# Allegro board FPGA-FINAL.brd (continued)
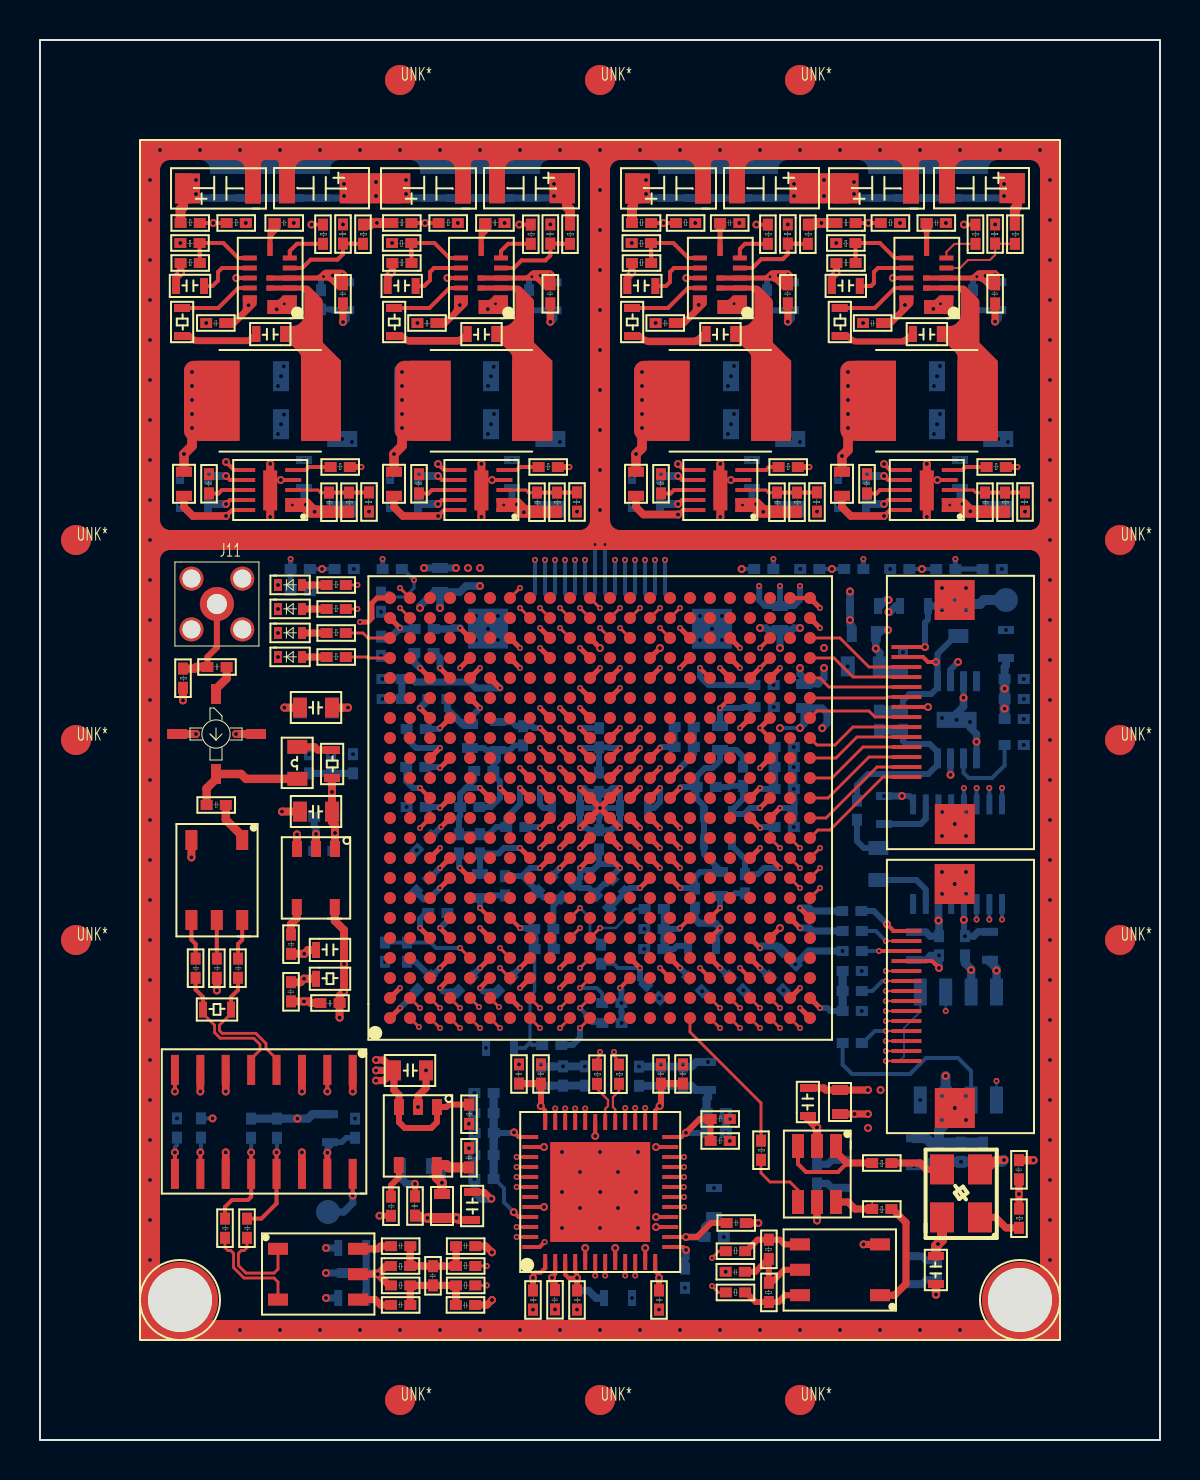
[diagram p0: board, top side]
## Footprints (pads in the part's own frame, mm; a bottom-side part is the same pattern mirrored in y, then rotated) (continued)
FPC-14P-0D5
  rect 0.2x1.5 smd: 1(-3.251,3.479) 2(-2.751,3.479) 3(-2.251,3.479) 4(-1.751,3.479) 5(-1.251,3.479) 6(-0.751,3.479) 7(-0.251,3.479) 8(0.249,3.479) 9(0.749,3.479) 10(1.249,3.479) 11(1.749,3.479) 12(2.249,3.479) 13(2.749,3.479) 14(3.249,3.479)
  rect 2x2 smd: M1(-5.6,1.06) M2(5.6,1.066)
L0805
  rect 0.7x1 smd: 1(0.2,0.62) 2(1.8,0.62)
LED0402
  rect 0.4x0.6 smd: 1(-0.1,0.25) 2(1.1,0.25)
MSOP-8-PAD
  rect 0.35x1 smd: 1(-0.001,-3.615) 2(0.649,-3.615) 3(1.299,-3.615) 4(1.949,-3.615) 5(1.949,0.241) 6(1.299,0.241) 7(0.649,0.241) 8(-0.001,0.241)
  rect 2x0.8 smd: 9(0.995,-1.694)
QFN-14
  rect 0.7x0.25 smd: 1(-0.99,1) 2(-0.99,0.5) 3(-0.99,0) 4(-0.99,-0.5) 5(-0.99,-1) 7(1.01,-1) 8(1.01,-0.5) 9(1.01,0) 10(1.01,0.5) 11(1.01,1)
  rect 0.25x0.7 smd: 6(0,-1.45) 12(0,1.45)
  rect 0.35x0.25 smd: 13(0,0.5) 14(0,0)
QFN-48
  rect 0.8x0.2 smd: 1(-3.5,2.75) 2(-3.5,2.25) 3(-3.5,1.75) 4(-3.5,1.25) 5(-3.5,0.75) 6(-3.5,0.25) 7(-3.5,-0.25) 8(-3.5,-0.75) 9(-3.5,-1.25) 10(-3.5,-1.75) 11(-3.5,-2.25) 12(-3.5,-2.75) 25(3.5,-2.75) 26(3.5,-2.25) 27(3.5,-1.75) 28(3.5,-1.25) 29(3.5,-0.75) 30(3.5,-0.25) 31(3.5,0.25) 32(3.5,0.75) 33(3.5,1.25) 34(3.5,1.75) 35(3.5,2.25) 36(3.5,2.75)
  rect 0.2x0.8 smd: 13(-2.75,-3.5) 14(-2.25,-3.5) 15(-1.75,-3.5) 16(-1.25,-3.5) 17(-0.75,-3.5) 18(-0.25,-3.5) 19(0.25,-3.5) 20(0.75,-3.5) 21(1.25,-3.5) 22(1.75,-3.5) 23(2.25,-3.5) 24(2.75,-3.5) 37(2.75,3.5) 38(2.25,3.5) 39(1.75,3.5) 40(1.25,3.5) 41(0.75,3.5) 42(0.25,3.5) 43(-0.25,3.5) 44(-0.75,3.5) 45(-1.25,3.5) 46(-1.75,3.5) 47(-2.25,3.5) 48(-2.75,3.5)
  rect 5x5 smd: 49(0,0)
R0402
  rect 0.6x0.5 smd: 1(0.01,0.25) 2(0.97,0.25)
R0603
  rect 0.4x0.8 smd: 1(0.1,0.4) 2(1.5,0.4)
SCREW-M3
  round 3.8 hole 3.2 unplated: (0,0)
SM-22
  rect 0.6x1 smd: 1(0.64,-0.1) 2(3.18,-0.1) 3(3.18,3.9) 4(1.91,3.9) 5(0.64,3.9)
SMA
  round 1.2 hole 0.9: 1(-1.27,-1.27) 2(1.27,-1.27) 3(1.27,1.27) 4(-1.27,1.27)
  round 1.7 hole 1: 5(0,0)
SO-8
  rect 0.65x1.35 smd: 1(0,-5.4) 2(1.27,-5.4) 3(2.54,-5.4) 4(3.81,-5.4) 5(3.81,0) 6(2.54,0) 7(1.27,0) 8(0,0)
SO-16
  rect 0.4x1.5 smd: 1(-4.437,-2.605) 2(-3.167,-2.605) 3(-1.897,-2.605) 4(-0.627,-2.605) 5(0.643,-2.605) 6(1.913,-2.605) 7(3.183,-2.605) 8(4.453,-2.605) 9(4.453,2.595) 10(3.183,2.595) 11(1.913,2.595) 12(0.643,2.595) 13(-0.627,2.595) 14(-1.897,2.595) 15(-3.167,2.595) 16(-4.437,2.595)
SOT-23-5
  rect 0.5x0.8 smd: 1(-0.95,-1.45) 2(0,-1.45) 3(0.95,-1.45) 4(0.96,1.45) 5(-0.94,1.45)
SOT-23-6
  rect 1.2x0.6 smd: 1(0,0) 2(0,-0.95) 3(0,-1.9) 4(2.8,-1.9) 5(2.8,-0.95) 6(2.8,0)
SSOP-16
  rect 1x0.3 smd: 1(0.6,4.7) 2(0.6,4.065) 3(0.6,3.43) 4(0.6,2.795) 5(0.6,2.16) 6(0.6,1.525) 7(0.6,0.89) 8(0.6,0.255) 9(5.58,0.255) 10(5.58,0.89) 11(5.58,1.525) 12(5.58,2.16) 13(5.58,2.795) 14(5.58,3.43) 15(5.58,4.065) 16(5.58,4.7)
TP_SMD_CIR_1D2
  round 1.2 smd: 1(0,0)
TSX-3225-4P
  rect 1.5x1.2 smd: 1(0.43,0.3) 2(2.83,0.3) 3(2.83,2.2) 4(0.43,2.2)
unnamed#2
  round 1.5 smd: (0,0)
WSON-10
  rect 0.8x0.2 smd: 1(0,0) 2(0,-0.5) 3(0,-1) 4(0,-1.5) 5(0,-2) 6(2.3,-2) 7(2.3,-1.5) 8(2.3,-1) 9(2.3,-0.5) 10(2.3,0)
  rect 0.7x2 smd: 11(1.15,-0.98)

## Nets
1V2_FPGA: C644.1 C645.2 C646.2 L35.2 R379.1 R380.1 U50.1 U50.2
2V0_FPGA: C129.2 C135.2 L16.2 U50.6(\SS_CTRL\) U50.7 U50.9 U50.10
2V0_FPGA_PWR: C78.1 C106.2 C120.2 L10.2 L16.1 R78.2
2V5_FPGA: C647.2 C648.2 C649.1 L37.1 R381.1 R383.1 U51.1 U51.2
3V3_BUCK_2V5: C77.1 C105.2 C125.2 L9.2 L15.1 R77.2
3V3_BUCK_2V5_IN: C128.2 C133.2 L15.2 U51.6(\SS_CTRL\) U51.7 U51.9 U51.10
3V3_FPGA: C651.2 C652.2 C653.1 L36.1 R384.1 R386.1 U52.1 U52.2
3V3_IF: C165.2 C184.2 R161.2 R364.2 R365.2 R366.2 U23.5(\OUT\)
4V0_BUCK_3V3: C127.2 C131.2 L14.2 U52.6(\SS_CTRL\) U52.7 U52.9 U52.10
4V0_BUCK_3V3_PWR: C76.1 C104.2 C124.2 L8.2 L14.1 R76.2
5V5_BUCK_5V_IN: C126.2 C659.2 L13.2 U53.6(\SS_CTRL\) U53.7 U53.9 U53.10
5V5_BUCK_5V_PWR: C75.1 C103.2 C115.2 L7.2 L13.1 R75.2
5V_FPGA: C145.2 C146.2 C147.2 C148.2 C150.2 C200.2 C201.2 C468.2 C480.2 C655.2 C656.2 C657.1 C664.2 C665.2 L18.1 R148.2 R387.1 R389.1 U23.1 U23.3 U29.1 U29.3 U53.1 U53.2
GND: A1.2 A1.4 C61.1 C62.1 C63.1 C64.1 C65.1 C66.1 C67.1 C68.1 C69.1 C70.1 C71.1 C72.1 C79.2 C80.2 C81.2 C82.2 C84.1 C85.1 C86.1 C87.1 C103.1 C104.1 C105.1 C106.1 C115.1 C120.1 C124.1 C125.1 C126.1 C127.1 C128.1 C129.1 C131.1 C133.1 C135.1 C145.1 C146.1 C147.1 C148.1 C150.1 C151.1 C164.1 C165.1 C172.1 C175.2 C184.1 C186.1 C191.1 C192.1 C193.1 C198.1 C199.1 C200.1 C201.1 C202.1 C204.1 C205.1 C206.1 C207.1 C208.1 C209.1 C210.1 C211.1 C212.1 C213.1 C214.1 C217.1 C218.1 C220.1 C221.1 C242.2 C244.2 C364.1 C365.1 C366.1 C367.1 C368.1 C369.1 C370.1 C371.1 C372.1 C373.1 C374.1 C375.1 C376.1 C377.1 C378.1 C379.1 C380.1 C381.1 C382.1 C383.1 C384.1 C385.1 C386.1 C387.1 C463.1 C464.1 C465.1 C468.1 C469.1 C470.1 C471.2 C473.1 C474.1 C478.1 C480.1 C481.1 C482.2 C483.2 C484.2 C485.1 C486.1 C490.1 C491.1 C498.2 C499.1 C500.1 C501.1 C502.1 C505.1 C506.1 C507.1 C508.1 C510.1 C511.1 C512.1 C514.1 C516.1 C517.1 C519.1 C520.1 C521.1 C523.1 C524.1 C526.1 C530.1 C533.1 C534.1 C540.2 C541.1 C544.1 C545.1 C548.1 C549.1 C550.1 C551.1 C552.2 C554.1 C555.1 C556.1 C557.1 C558.1 C559.1 C561.1 C562.1 C563.1 C564.2 C565.2 C575.1 C577.1 C578.1 C579.1 C580.1 C581.1 C582.2 C583.2 C584.2 C585.2 C586.2 C587.2 C588.2 C589.1 C593.2 C597.1 C598.1 C599.1 C602.1 C604.2 C608.1 C612.1 C613.1 C614.1 C615.2 C616.1 C617.2 C637.1 C638.1 C639.1 C640.1 C641.2 C642.1 C643.1 C645.1 C646.1 C647.1 C648.1 C650.1 C651.1 C652.1 C654.1 C655.1 C656.1 C658.1 C659.1 C660.1 C661.1 C662.1 C663.1 C664.1 C665.1 C666.1 C667.1 C668.1 C669.1 C670.1 C671.1 C672.1 C673.1 C674.2 C675.2 C676.2 C677.2 D11.1(\CATHODE\) D12.1(\CATHODE\) D13.1(\CATHODE\) D14.1(\CATHODE\) J9.11 J9.M1 J9.M2(\M2\) J10.8 J10.13 J10.M1 J10.M2(\M2\) J11.1 J11.2 J11.3 J11.4 J12.7 J12.8 J12.M1 J12.M2(\M2\) R50.1 R52.1 R54.1 R56.1 R58.1 R61.1 R64.1 R67.1 R69.1 R70.1 R71.1 R72.1 R139.1 R142.1 R294.1 R307.1 R313.1 R319.1 R353.1 R357.2 R367.1 R378.2 R382.2 R385.2 R388.2 T2.2 T3.2 U11.1 U11.12 U12.1 U12.12 U13.1 U13.12 U14.1 U14.12 U18.1 U18.7 U18.9 U20.A1 U20.A22 U20.AA2 U20.AA22 U20.AB1 U20.AB6 U20.AB22 U20.C5 U20.C9 U20.C11 U20.C12 U20.C14 U20.C16 U20.C18 U20.D3 U20.D8 U20.E18 U20.E20 U20.F3 U20.F5 U20.F12 U20.G2 U20.G20 U20.H3 U20.H12 U20.H13 U20.J9 U20.J15 U20.J19 U20.K3 U20.K10 U20.K11 U20.K12 U20.K13 U20.K16 U20.L10 U20.L11 U20.L12 U20.L13 U20.L15 U20.L20 U20.M10 U20.M11 U20.M12 U20.M13 U20.N3 U20.N10 U20.N11 U20.N12 U20.N13 U20.N15 U20.P8 U20.P19 U20.R3 U20.R9 U20.R11 U20.R13 U20.T20 U20.U3 U20.U5 U20.V18 U20.V20 U20.W3 U20.Y5 U20.Y9 U20.Y11 U20.Y12 U20.Y15 U20.Y16 U20.Y18 U20.Y20 U23.2 U24.4 U24.9 U29.2 U30.1 U30.3 U30.6 U30.7 U30.11 U30.14 U32.2 U33.5 U33.8 U33.11 U33.15 U33.16 U33.23 U33.31 U33.38 U33.44 U33.48 U33.49 U49.4 U50.4 U50.11 U51.4 U51.11 U52.4 U52.11 U53.4 U53.11 Y4.2
VBAT_IN: C61.2 C62.2 C63.2 C64.2 C65.2 C66.2 C67.2 C68.2 C79.1 C80.1 C81.1 C82.1 C364.2 C365.2 C366.2 C367.2 C368.2 C369.2 C370.2 C371.2 C372.2 C373.2 C374.2 C375.2 C376.2 C377.2 C378.2 C379.2 C380.2 C381.2 C382.2 C383.2 C384.2 C385.2 C386.2 C387.2 C674.1 C675.1 C676.1 C677.1 R49.2 R51.2 R53.2 R55.2 R59.2 R62.2 R65.2 R68.2 U11.3(\VIN#3\) U11.14 U12.3(\VIN#3\) U12.14 U13.3(\VIN#3\) U13.14 U14.3(\VIN#3\) U14.14
VCCA_2V5: C473.2 C474.2 C482.1 C483.1 C484.1 C564.1 C565.1 C575.2 C578.2 C579.2 J9.12 L37.2 R352.1 R356.1 U20.F18 U20.G6 U20.T6 U20.U18
VCCINT_1V2: C463.2 C469.2 C486.2 C499.2 C501.2 C502.2 C506.2 C511.2 C514.2 C516.2 C517.2 C520.2 C526.2 C530.2 C534.2 C548.2 C550.2 C554.2 C555.2 C556.2 C557.2 C558.2 L35.1 L38.2 L39.2 L40.2 L41.2 U20.G12 U20.H9 U20.J10 U20.J11 U20.J12 U20.J13 U20.J14 U20.J16 U20.K9 U20.K14 U20.K15 U20.L9 U20.L14 U20.L16 U20.M9 U20.M14 U20.M15 U20.N9 U20.N14 U20.P9 U20.P10 U20.P11 U20.P12 U20.P13 U20.P14 U20.R8 U20.R10 U20.R12
VCCIO_3V3: C191.2 C192.2 C198.2 C199.2 C202.2 C205.2 C208.2 C209.2 C217.2 C464.2 C465.2 C470.2 C471.1 C478.2 C481.2 C498.1 C500.2 C505.2 C510.2 C512.2 C519.2 C521.2 C523.2 C524.2 C533.2 C544.2 C545.2 C549.2 C559.2 C561.2 C562.2 C580.2 C581.2 C582.1 C583.1 C584.1 C585.1 C586.1 C587.1 C588.1 C593.1 C597.2 C598.2 C599.2 C602.2 C608.2 C612.2 C614.2 C666.2 C667.2 C668.2 C669.2 C670.2 C671.2 J9.14 L21.1 L36.2 R293.2 R295.2 R310.2 R311.2 R314.2 R351.1 R355.1 R362.2 R375.2 U20.A2 U20.A21 U20.AA6 U20.AB2 U20.AB21 U20.D4 U20.D5 U20.D9 U20.D11 U20.D12 U20.D14 U20.D16 U20.D18 U20.E8(\VCCIO8#E8\) U20.E19 U20.F4 U20.G19 U20.H4 U20.J20 U20.K4 U20.L19 U20.N4 U20.P18 U20.R4 U20.T19 U20.U4 U20.V19 U20.W4 U20.W5 U20.W9 U20.W11 U20.W12 U20.W16 U20.W18 U20.Y14 U20.Y19 U33.24 U33.25 U33.36 U33.37 U33.45 U49.3 U49.7 U49.8(\VCC#8\)
A_DEMP: U20.Y10 U24.13
A_FMT: U20.AA10 U24.15
A_MUTE: U20.AB9 U24.14
AD0: U20.Y2 U33.18
AD1: U20.Y1 U33.19
AD2: U20.W2 U33.20
AD3: U20.W1 U33.21
AD4: U20.V2 U33.22
AD5: U20.V1 U33.26
AD6: U20.U2 U33.27
AD7: U20.U1 U33.28
AD8: U20.H2 U33.32
AD9: U20.H1 U33.33
AD10: U20.F2 U33.34
AD11: U20.F1 U33.35
AD12: U20.E1 U33.39
AD13: U20.D2 U33.40
AD14: U20.C2 U33.41
AD15: U20.C1 U33.42
AD_CLKN: R169.2 U20.G3
AD_CLKP: R167.2 U20.G4
AD_DITH: U20.AA1 U33.17
AD_PGA: U20.B1 U33.47
AD_RAND: U20.B2 U33.46
ADC_3V3: C213.2 C214.2 C218.2 C613.2 C616.2 C637.2 C638.2 C639.2 C640.2 C660.2 C661.2 C672.2 C673.2 L22.2 U33.1 U33.3 U33.4(\VDD#4\) U33.12 U33.13 U33.14
AIN+: R194.1 U33.6
AIN-: R196.1 U33.7
ASDO: J9.1 U20.D1 U49.5
AUDIO_5V: C491.2 C507.2 C508.2 C540.1 C541.2 C551.2 C552.1 C642.2 L18.2 U18.3 U18.6 U24.6
AUDIO_OUT: C140.2 J10.14 R139.2 TP53.1(\TP\)
CLK2FPGA: R177.2 U20.T1
CLK_3V3: C193.2 C204.2 C206.2 C210.2 C662.2 C663.2 L21.2 R166.2 U32.5(\VCC\) Y4.4(\VCC\)
CLKO+: R167.1 U33.30
CLKO-: R169.1 U33.29
CONF_DONE: J9.13 R375.1 U20.M18
DATA0: J9.4 R174.1 U20.K1
DCLK: J9.3 U20.K2 U49.6
ENC+: R197.2 U33.9
ENC-: R192.2 U33.10
FPGA_RST_ARM: J10.4 U20.AB13
FPGA_RST_MCU: J10.5 U20.AB14
FPGA_SPI_CS: J10.12 U20.AB20
FPGA_SPI_MISO: J10.10 U20.AB18
FPGA_SPI_MOSI: J10.9 U20.AB17
FPGA_SPI_SCLK: J10.11 U20.AB19
FPGA_UART2_RXD: J10.6 U20.AB15
FPGA_UART2_TXD: J10.7 U20.AB16
FPGA_UART_RXD: J10.2 U20.AB11
FPGA_UART_TXD: J10.1 U20.AB10
I2S_BCK: U20.AA9 U24.1
I2S_DATA: U20.AB7 U24.2
I2S_LRCK: U20.AA8 U24.3
I2S_SCK: U20.AB8 U24.16
IO: U20.AA4
IO1: J12.1 U20.R21
IO2: J12.2 U20.R20
IO3: J12.3 U20.P21
IO4: J12.4 U20.N21
IO5: J12.5 U20.M21
IO6: J12.6 U20.N20
IO7: J12.9 U20.M20
IO8: J12.10 U20.L21
IO9: J12.11 U20.K21
IO10: J12.12 U20.J21
IO11: J12.13 U20.H21
IO12: J12.14 U20.G22
LDO_3V3: C207.2 C212.2 L22.1 U29.5(\OUT\)
LED1: R136.1 U20.B22
LED2: R137.1 U20.B21
LED3: R133.1 U20.A20
LED4: R377.1 U20.A19
MSEL0: R314.1 R319.2 U20.M17
MSEL1: R307.2 R311.1 U20.L18
MSEL2: R310.1 R313.2 U20.L17
MSEL3: R294.2 R295.1 U20.K20
NCE: J9.7 R357.1 U20.L3
NCONFIG: J9.9 R362.1 U20.K5
NCSO: J9.2 U20.E2 U49.1
NRST_FPGA: J10.3 U20.AB12
NSTATUS: R351.2 U20.K6
RSSI: C605.1 TP23.1(\TP\) U30.16
SOUTN: C171.1 R162.1 U30.5
SOUTP: C173.1 R162.2 U30.4
TCK: J9.5 R353.2 U20.L2
TDI: J9.10 R356.2 U20.L5
TDO: J9.8 U20.L4
TINN: C215.1 T4.2
TINP: C216.1 T4.1
TMS: J9.6 R352.2 U20.L1
VCOM: C242.1 C615.1 C617.1 C641.1 R193.1 R195.2 T4.4 U33.2
VDPL1: C563.2 L40.1 U20.U6
VDPL2: C490.2 L39.1 U20.E17
VDPL3: C577.2 L41.1 U20.F6
VDPL4: C485.2 L38.1 U20.V17
N7424382: C144.1 R146.1 R151.2 U18.4
N7424390: C140.1 C144.2 R146.2 U18.5
N7424650: C186.2 U24.10
N7424654: C152.1 U24.7
N7424662: C152.2 R151.1
N7424742: C151.2 U18.2
N7454523: R174.2 U49.2
N7455499: D11.2 R136.2
N7455557: D13.2 R137.2
N7467286: C589.2 R355.2 U20.E4
N7498655: C211.2 U29.4
N7538451: R293.1 U20.L22
N7578107: C143.2 J11.5 R142.2
N7578654: A1.1 C143.1
N7578935: A1.3(\OUT\) C149.2 L19.1
N7579108: L19.2 R148.1
N7579398: C149.1 T2.1
N7579484: C172.2 T2.4
N7579488: C171.2 T2.3
N7579492: C173.2 T2.5
N7580116: C175.1 R161.1 U30.2 U30.8
N7580344: R367.2 U30.9
N7580738: C605.2 U30.10
N7580852: C604.1 R364.1 U30.15(\VPS2\)
N7581076: C216.2 R365.1 U30.13
N7581083: C215.2 R366.1 U30.12
N7581273: C219.2 T4.5
N7581277: C243.2 T4.3
N7581373: C222.2 C243.1 C244.1 R195.1 R196.2
N7581387: C219.1 C220.2 C222.1 R193.2 R194.2
N7586253: R166.1 Y4.1
N7586496: R185.2 Y4.3
N7586806: R185.1 U32.1 U32.3
N7587007: R177.1 U32.4
N7587454: R188.1 U32.6
N7587591: R188.2 T3.1
N7587990: C221.2 R191.2 R198.1 T3.4
N7588005: R197.1 R198.2 T3.5
N7588017: R191.1 R192.1 T3.3
N7598294: C164.2 U23.4
N7921484: D12.2 R133.2
N8196940: R58.2 R59.1 U11.4
N8196944: R49.1 R50.2 U11.9
N8196950: C84.2 R57.2 U11.11
N8196956: R57.1 U11.5
N8196998: C69.2 U11.6
N8197004: R86.1 U11.10
N8197008: C88.1 L7.1 U11.2 U11.13
N8197018: C88.2 R86.2
N8197022: C75.2 U11.8
N8197032: R69.2 R75.1 U11.7
N8197074: R87.1 U12.10
N8197078: C89.2 R87.2
N8197098: C89.1 L8.1 U12.2 U12.13
N8197146: R61.2 R62.1 U12.4
N8197148: R51.1 R52.2 U12.9
N8197154: C76.2 U12.8
N8197166: R70.2 R76.1 U12.7
N8197176: C85.2 R60.2 U12.11
N8197182: C70.2 U12.6
N8197194: R60.1 U12.5
N8197218: R88.1 U13.10
N8197222: C90.2 R88.2
N8197242: C90.1 L9.1 U13.2 U13.13
N8197290: R64.2 R65.1 U13.4
N8197292: R53.1 R54.2 U13.9
N8197298: C77.2 U13.8
N8197310: R71.2 R77.1 U13.7
N8197320: C86.2 R63.2 U13.11
N8197326: C71.2 U13.6
N8197338: R63.1 U13.5
N8197362: R89.1 U14.10
N8197366: C91.2 R89.2
N8197386: C91.1 L10.1 U14.2 U14.13
N8197434: R67.2 R68.1 U14.4
N8197436: R55.1 R56.2 U14.9
N8197442: C78.2 U14.8
N8197454: R72.2 R78.1 U14.7
N8197464: C87.2 R66.2 U14.11
N8197470: C72.2 U14.6
N8197482: R66.1 U14.5
N9038018: D14.2 R377.2
N9064761: C643.2 U50.8
N9066094: C644.2 R378.1 R379.2 U50.3
N9067246: R380.2 U50.5
N9071462: C650.2 U51.8
N9071470: C649.2 R381.2 R382.1 U51.3
N9071570: R383.2 U51.5
N9073990: C654.2 U52.8
N9073998: C653.2 R384.2 R385.1 U52.3
N9074098: R386.2 U52.5
N9076650: C658.2 U53.8
N9076658: C657.2 R387.2 R388.1 U53.3
N9076758: R389.2 U53.5

Pads without a net: U18 8; U20 A3 A4 A5 A6 A7 A8 A9 A10 A11 A12 A13 A14 A15 A16 A17 A18 AA3 AA5 AA7 AA11 AA12 AA13 AA14 AA15 AA16 AA17 AA18 AA19 AA20 AA21 AB3 AB4 AB5 B3 B4 B5 B6 B7 B8 B9 B10 B11 B12 B13 B14 B15 B16 B17 B18 B19 B20 C3 C4 C6 C7 C8 C10 C13 C15 C17 C19 C20 C21 C22 D6 D7 D10 D13 D15 D17 D19 D20 D21 D22 E3 E5 E6 E7 E9 E10 E11 E12 E13 E14 E15 E16 E21 E22 F7 F8 F9 F10 F11 F13 F14 F15 F16 F17 F19 F20 F21 F22 G1 G5 G7 G8 G9 G10 G11 G13 G14 G15 G16 G17 G18 G21 H5 H6 H7 H8 H10 H11 H14 H15 H16 H17 H18 H19 H20 H22 J1 J2 J3 J4 J5 J6 J7 J8 J17 J18 J22 K7 K8 K17 K18 K19 K22 L6 L7 L8 M1 M2 M3 M4 M5 M6 M7 M8 M16 M19 M22 N1 N2 N5 N6 N7 N8 N16 N17 N18 N19 N22 P1 P2 P3 P4 P5 P6 P7 P15 P16 P17 P20 P22 R1 R2 R5 R6 R7 R14 R15 R16 R17 R18 R19 R22 T2 T3 T4 T5 T7 T8 T9 T10 T11 T12 T13 T14 T15 T16 T17 T18 T21 T22 U7 U8 U9 U10 U11 U12 U13 U14 U15 U16 U17 U19 U20 U21 U22 V3 V4 V5 V6 V7 V8 V9 V10 V11 V12 V13 V14 V15 V16 V21 V22 W6 W7 W8 W10 W13 W14 W15 W17 W19 W20 W21 W22 Y3 Y4 Y6 Y7 Y8 Y13 Y17 Y21 Y22; U24 5 8 11 12; U33 43

## Via types
v1: diameter 0.4, hole 0.2, TOP to BOTTOM, 345 vias
v2: diameter 0.3, hole 0.15, TOP to BOTTOM, 293 vias
v3: diameter 0.4, hole 0.2, TOP to GND-L2, 85 vias
v4: diameter 0.4, hole 0.2, GND-L9 to BOTTOM, 132 vias
v5: diameter 0.3, hole 0.15, GND-L9 to BOTTOM, 1 via

## Routing (per net, layer and track width the routed paths; a pad name or vN(x,y) marks a point on that pad's centre or on a via; arc(x,y) is an arc through that point)
1V2_FPGA: length 31.9
  TOP w0.3: R380.1 v2(48.87,48.65)
  PWR-L6 w0.3: v1(46.13,46.8) 46.5,46.44 v1(46.52,46.44) ; v1(46.13,46.8) 47.98,48.65 v2(48.87,48.65) ; v1(46.13,46.8) 46.08,46.75 v2(45.49,46.75)
  PWR-L6 w0.36: v1(39.2,39.6) v1(39.2,38.6)
  PWR-L6 w0.38: v1(39.2,38.6) v1(38,38.6) 38,39.12 38.48,39.6 v1(39.2,39.6)
  SIGNAL-L8 w0.38: v1(38,38.6) v1(39.2,38.6) ; v1(39.2,38.6) v1(39.2,39.6) ; v1(39.2,38.6) 39.8,38 42.42,38 42.8,38.38 42.8,39.5 47.4,44.1 47.4,45.55 v1(46.52,46.44) 46.5,46.44 v1(46.13,46.8) 45.54,46.8 v2(45.49,46.75)
  BOTTOM w0.36: v1(46.13,46.8) 46,46.93 C646.2 ; v1(39.2,38.6) 39.2,38.09 38.91,37.8 L35.2 38.2,38.1 38,38.3 v1(38,38.6)
  BOTTOM w0.4: C645.2 46.63,46.55 v1(46.52,46.44)
2V0_FPGA: length 13.9
  TOP w0.2: U50.7 42.4,48 v1(42.2,48.2) ; U50.9 42.4,47 v1(42.2,46.8) ; v1(42.2,48.8) 42.5,48.5 U50.6 ; U50.10 42.5,46.5 42.38,46.37 42.37,46.37 v1(42.2,46.2)
  TOP w0.38: L16.2 40.1,46.64 40.54,46.2 v1(42.2,46.2)
  PWR-L6 w0.38: 40.1,46.7 40.6,46.2 v1(42.2,46.2) v1(42.2,46.8) v1(42.2,48.2) v1(42.2,48.8)
  BOTTOM w0.4: C135.2 v1(42.2,48.2) ; C129.2 v1(42.2,46.8)
2V0_FPGA_PWR: length 13.1
  TOP w0.36: C78.1 39.59,58.13 v1(39.82,58.36) R78.2
  TOP w0.48: L16.1 v1(40.1,49.2) 40.4,49.5 v1(40.4,50.6)
  PWR-L6 w0.3: v1(39.82,58.36) 40.4,57.78 v1(40.4,53.4)
  PWR-L6 w0.5: v1(40.1,49.2) 40.1,49.78 40.4,50.08 v1(40.4,50.6) v1(40.4,51.3) v1(40.4,52) v1(40.4,52.7) v1(40.4,53.4)
2V5_FPGA: length 18.8
  TOP w0.3: R383.1 v2(38.47,48.65)
  PWR-L6 w0.2: v2(37,42.7) 37,43.1 37.6,43.7 37.6,44.54 36.16,45.98 v1(36.16,46.4) 35.81,46.76 v1(35.81,46.79) 35.76,46.75 v2(35.13,46.75) ; v2(37,42.7) v2(38,42.7) ; v2(37,42.7) v2(35.96,42.7)
  PWR-L6 w0.3: v1(35.81,46.79) 37.66,48.65 v2(38.47,48.65)
  BOTTOM w0.3: L37.1 37.7,41.7 38,42 v2(38,42.7) ; L37.1 v2(37,42.7) ; L37.1 36.24,41.7 35.96,41.98 v2(35.96,42.7)
  BOTTOM w0.36: v1(35.81,46.79) 35.6,47 C648.2
  BOTTOM w0.4: v1(36.16,46.4) 36.31,46.55 C647.2
3V3_BUCK_2V5: length 13
  TOP w0.36: C77.1 29.37,58.13 v1(29.6,58.36) R77.2
  TOP w0.48: v1(30.1,50.6) 30.1,49.6 v1(29.8,49.3) L15.1
  PWR-L6 w0.3: v1(30.1,53.4) 30.1,57.86 v1(29.6,58.36)
  PWR-L6 w0.5: v1(29.8,49.3) 29.8,49.7 30.1,50 v1(30.1,50.6) v1(30.1,51.3) v1(30.1,52) v1(30.1,52.7) v1(30.1,53.4)
3V3_BUCK_2V5_IN: length 13.7
  TOP w0.2: U51.6 32.2,48.5 v1(31.9,48.8) ; U51.10 32.13,46.5 31.93,46.3 31.93,46.3 v1(31.9,46.27) ; v1(31.9,48.2) 32.1,48 U51.7 ; v1(31.9,46.8) 32.1,47 U51.9
  TOP w0.38: v1(31.9,46.27) 30.17,46.27 29.8,46.64 L15.2
  PWR-L6 w0.38: v1(31.9,48.8) v1(31.9,48.2) v1(31.9,46.8) v1(31.9,46.27) 30.26,46.27 29.8,46.73
  BOTTOM w0.4: C133.2 v1(31.9,48.2) ; C128.2 v1(31.9,46.8)
3V3_FPGA: length 15.9
  TOP w0.3: R386.1 v2(26.47,48.65)
  PWR-L6 w0.3: v1(19.2,43.6) v1(20.8,43.6) v1(21.4,43.6) v1(22,43.6) ; v1(23.85,46.78) 24.19,46.44 v1(24.19,46.39) ; v1(23.85,46.78) 25.71,48.65 v2(26.47,48.65) ; v1(23.85,46.78) 23.82,46.75 v2(23.18,46.75)
  PWR-L6 w0.36: v1(22,43.6) 23.2,44.8 23.73,44.8 24.19,45.26 v1(24.19,46.39)
  BOTTOM w0.36: v1(23.85,46.78) 23.6,47.03 C652.2 ; v1(20.8,43.6) L36.1 v1(19.2,43.6)
  BOTTOM w0.4: v1(24.19,46.39) 24.36,46.55 C651.2
3V3_IF: length 20.8
  TOP w0.4: v1(14.98,21.12) C184.2 14.98,22.21 v1(15.2,22.43) R161.2 v1(15.2,23.8) C165.2 15.2,25.5 14.74,25.96 U23.5
  PWR-L6 w0.5: v1(15.2,23.8) v1(15.2,22.43) 15.2,21.82 14.98,21.6 v1(14.98,21.12) 13.96,20.1 12.4,20.1 11.7,19.4 11.7,16.57 12.2,16.07 v1(12.87,16.07)
  BOTTOM w0.42: R366.2 R365.2 v1(12.87,16.07) 13.41,16.07 13.63,16.29 R364.2
4V0_BUCK_3V3: length 14.4
  TOP w0.2: U52.7 20.1,48 v1(19.9,48.2) ; U52.6 20.2,48.5 v1(19.9,48.8) ; U52.9 20.1,47 v1(19.9,46.8) ; v1(19.9,46.2) 20.2,46.5 U52.10
  TOP w0.38: L14.2 17.7,46.64 18.14,46.2 v1(19.9,46.2)
  PWR-L6 w0.38: 17.7,46.6 18.1,46.2 v1(19.9,46.2) 19.9,46.8 v1(19.9,46.8) v1(19.9,48.2) 19.9,48.8 v1(19.9,48.8)
  BOTTOM w0.4: C127.2 v1(19.9,46.8) ; C131.2 v1(19.9,48.2)
4V0_BUCK_3V3_PWR: length 13
  TOP w0.36: R76.2 17.61,58.41 v1(17.57,58.36) 17.38,58.18 C76.1
  TOP w0.48: L14.1 v1(17.7,49.3) 18.1,49.7 v1(18.1,50.6)
  PWR-L6 w0.3: v1(18.1,53.4) 18.1,57.83 v1(17.57,58.36)
  PWR-L6 w0.5: v1(18.1,53.4) v1(18.1,52.7) v1(18.1,52) v1(18.1,51.3) v1(18.1,50.6) 17.7,50.2 v1(17.7,49.3)
5V5_BUCK_5V_IN: length 14.4
  TOP w0.2: U53.6 9.7,48.5 v1(9.3,48.9) ; U53.10 9.6,46.5 9.48,46.37 9.47,46.37 v1(9.3,46.2) ; U53.9 9.5,47 v1(9.3,46.8) ; v1(9.3,48.2) 9.5,48 U53.7
  TOP w0.38: v1(9.3,46.2) 7.64,46.2 7.2,46.64 L13.2
  PWR-L6 w0.38: v1(9.3,48.9) 9.3,48.9 v1(9.3,48.2) v1(9.3,46.8) v1(9.3,46.2) 7.7,46.2 7.2,46.7
  BOTTOM w0.4: C659.2 v1(9.3,46.8) ; v1(9.3,48.2) C126.2
5V5_BUCK_5V_PWR: length 13.1
  TOP w0.38: R75.2 7.03,58.38 v1(7.04,58.37) 6.8,58.12 C75.1
  TOP w0.48: v1(7.6,50.6) 7.6,49.7 v1(7.2,49.3) L13.1
  PWR-L6 w0.3: v1(7.04,58.37) 7.6,57.81 v1(7.6,53.4)
  PWR-L6 w0.5: v1(7.6,53.4) v1(7.6,52.7) v1(7.6,52) v1(7.6,51.3) v1(7.6,50.6) 7.2,50.2 v1(7.2,49.3)
5V_FPGA: length 66.9
  TOP w0.3: U29.3 17.95,15.89 18.24,15.6 19.56,15.6 19.85,15.89 U29.1 20.33,16.65 20.45,16.77 C201.2 ; R389.1 v2(16.07,48.65)
  TOP w0.36: C200.2 17.19,17.97 v1(16.8,17.97) ; C200.2 17.7,17.5 17.95,17.25 U29.3 ; C200.2 17.18,19 v1(16.8,19) ; C200.2 v1(16.8,18.48)
  TOP w0.4: R148.2 v1(14.6,32.4) C148.2 14.6,30.9 14.75,30.75 v1(14.75,30.35) U23.1 ; U23.3 v1(12.85,30.28) ; C664.2 v1(15.4,36.62)
  PWR-L6 w0.3: v2(16.07,48.65) 15.18,48.65 v1(13.3,46.77) ; v1(40.5,42.43) v1(40.5,41) ; v1(13.73,46.41) 13.65,46.41 v1(13.3,46.77) ; v1(13.3,46.77) 13.28,46.75 v2(12.62,46.75)
  SIGNAL-L8 w0.36: v1(40.5,41) v1(40.5,42.43) 39.57,42.43 38.4,43.6 38.4,44.42 37.62,45.2 34,45.2 31.7,42.9 24.8,42.9 22.9,44.8 17.9,44.8 16.29,46.41 ; v2(12.62,46.75) 13.28,46.75 v1(13.3,46.77) 13.38,46.77 v1(13.73,46.41)
  SIGNAL-L8 w0.38: v1(13.3,46.77) 13.66,47.13 15.57,47.13 16.29,46.41
  BOTTOM w0.36: C145.2 14.67,30.73 14.75,30.65 v1(14.75,30.35) 14.75,29.95 14.67,29.87 C480.2 ; v1(14.6,32.4) 14.6,32.8 14.55,32.85 C146.2 ; v1(15.4,36.62) 15.12,36.62 15.08,36.58 C665.2 ; C656.2 13.2,46.86 v1(13.3,46.77) ; C146.2 C150.2 ; C146.2 C147.2
  BOTTOM w0.38: v1(40.5,42.43) C468.2 v1(40.5,41) 40.5,40.8 40.59,40.71 L18.1
  BOTTOM w0.4: C655.2 13.87,46.55 v1(13.73,46.41)
GND: length 233.9
  TOP w0.2: 43.32,23.95 44.6,23.95 v1(44.95,23.6) ; U20.R3 v2(31,23.6) ; v3(44.8,38.9) 44.4,38.9 44.15,39.15 J10.13 ; U33.16 v1(30.8,11.15) ; U20.U5 v2(34,25.6) ; v2(25.23,9.9) 24.98,9.65 U33.48 ; U20.C12 v2(19,32.6) ; U33.44 v1(25.2,11.65) ; U20.C11 v2(19,30.6) ; U20.W3 v2(35,23.6) ; U33.11 v1(30.26,9.6) ; U33.8 v1(28.76,9.6) ; U33.23 v1(30.8,14.65) ; J10.8 v3(44.4,36.65) ; U20.Y15 v2(36,35.6) ; U20.Y20 v2(36,39.6) ; U20.U3 v2(33,23.6) ; U51.4 v1(34.54,48) ; U53.4 v1(12.04,48) ; U33.38 v1(25.2,14.65) ; U20.AA22 U20.AB22 ; U50.4 v1(44.87,48) ; U20.N3 v2(29,22.6) ; U52.4 v1(22.6,48) ; U33.15 v1(30.8,10.65) ; U33.5 v1(27.26,9.6) ; U33.31 v1(27.76,15.2)
  TOP w0.25: v2(22,38.6) U20.E18 ; v2(16,40.9) 16.4,40.9 16.6,41.1 16.6,41.85 16.85,42.1 U20.A22 ; U20.L15 v2(27,35.6) ; U20.Y12 v2(36,31.6) ; U20.Y9 v2(37,28.6) ; U20.AB22 v2(39,41.6) ; U20.P8 v2(30,27.6) ; U20.H12 v2(24,32.6) ; v2(37,38.6) U20.Y18 ; U20.H3 v2(24,22.6) ; v2(30,35.6) U20.N15 ; v2(22,25.6) U20.F5 ; U20.C16 v2(19,36.6) ; v3(31,39.6) U20.P19 ; v2(24,21.6) U20.G2 ; v2(25,28.6) U20.J9 ; v2(24,33.6) U20.H13 ; v2(24,39.6) U20.G20 ; U20.AB1 v2(38,21.6) ; U20.AA2 v2(38,22.6) ; v2(18,21.6) U20.A1 ; v3(37,25.6) U20.Y5 ; v2(32,30.6) U20.R11 ; v2(26,22.6) U20.K3 ; v2(20,34.6) U20.C14 ; U20.V18 v2(34,38.6) ; U20.J19 v2(25,39.6) ; v2(22,32.6) U20.F12 ; U20.F3 v2(22,22.6) ; U20.E20 v2(21,40.6) ; v2(20,22.6) U20.D3 ; v2(32,33.6) U20.R13 ; v2(32,28.6) U20.R9 ; v2(19,25.6) U20.C5 ; v2(20,29.6) U20.C9 ; U20.J15 v2(25,35.6) ; U20.T20 v2(32,40.6) ; v2(37,31.6) U20.Y11 ; U20.V20 v2(35,39.6) ; v3(28,39.6) U20.L20 ; v2(36,35.6) U20.Y16 ; v2(26,36.6) U20.K16 ; v2(38,26.6) U20.AB6 ; v2(20,27.6) U20.D8 ; v2(19,38.6) U20.C18
  TOP w0.3: v2(26,33.6) U20.K13 ; v2(27,32.6) U20.L12 v1(28,31.6) ; v2(27,33.6) U20.L13 ; v1(28,31.6) U20.L11 v2(27,30.6) ; v1(28,31.6) U20.M11 v2(29,30.6) ; v1(28,31.6) U20.M12 v2(29,32.6) ; v2(30,29.6) U20.N10 ; v2(30,32.6) U20.N12 ; C213.1 v1(18.75,12.81) ; C211.1 v1(16.97,11.21) ; U20.M10 v2(29,29.6) ; U20.K12 v2(26,32.6) ; C214.1 22.23,12.4 v1(22.56,12.06) ; v2(26,30.6) U20.K11 ; v2(27,29.6) U20.L10 ; U20.K10 v2(26,29.6) ; v2(29,33.6) U20.M13 ; U20.N13 v2(30,33.6) ; U20.N11 v2(30,30.6)
  TOP w0.36: v3(18.9,16.65) 18.9,17.2 19.3,17.6 v3(19.3,18.48) ; v1(22.6,7) 22.35,6.75 C244.2 ; v1(37.39,55.92) C81.2 ; v1(47.76,55.92) C82.2 ; T3.2 v1(41.17,9.78) ; v1(25.52,55.91) C80.2 ; v1(15.15,55.9) C79.2 ; v1(22.6,9.38) 22.29,9.69 C220.1
  TOP w0.38: U30.14 v1(13.1,14.38) ; U30.3 v1(13.1,17.43) ; 9.29,13.3 v1(9.29,14.38) ; U30.7 v1(8.02,17.43) ; 9.29,18.51 v1(9.29,17.43) ; C613.1 v1(35.92,10.85) ; U30.1 v1(15.64,17.43)
  TOP w0.4: A1.4 v1(9.8,35.3) ; C175.2 v1(13.2,21.93) 13.47,21.93 13.55,21.85 C184.1 ; A1.2 v1(7.8,35.3) ; v1(22.07,48.81) U52.11 v1(22.07,46.15) ; C664.1 v1(12.22,36.62) ; C172.1 v1(8.84,22.48) ; U23.2 v1(13.8,30.3) ; v1(11.51,46.15) U53.11 v1(11.51,48.81) ; v1(34.02,48.81) U51.11 v1(34.02,46.15) ; T2.2 v1(7.57,29.13) ; C164.1 v1(13.21,24.31) 13.4,24.5 C165.1 ; v1(44.34,46.15) U50.11 v1(44.34,48.81) ; R142.1 v1(7.15,36.98) ; C148.1 v1(12.1,31.42)
  TOP w0.42: v1(48.2,14) 47.8,14 47.33,13.53 Y4.2 ; C191.1 38.4,16.08 v1(38.85,15.63) U32.2 ; C204.1 v1(44.8,7.27) ; C206.1 v1(49.67,13.99)
  BOTTOM w0.2: J12.8 v2(27.75,44.78) ; J12.7 v2(28.25,44.78)
  BOTTOM w0.28: v1(28,31.6) 28,31.13 27.95,31.08 C556.1 ; v1(28,31.6) C463.1 ; v1(28,31.6) 27.95,31.65 C520.1 ; v1(28,31.6) C469.1
  BOTTOM w0.3: v2(25,35.6) 24.7,35.6 24.61,35.69 C534.1 23.81,35.69 23.6,35.9 C517.1 ; C582.2 18.46,22.12 18.46,22.06 v2(18,21.6) ; C577.1 23.78,28.19 23.79,28.2 24.11,28.2 ; v2(29,22.6) 29.07,22.53 v4(29.07,21.85) 29.07,21.4 29.08,21.39 v4(29.08,20.85) ; v2(37,31.6) 37.4,31.6 37.7,31.3 ; C372.1 46.69,56.49 C677.2 ; C579.1 25.69,25.53 C565.2 25.67,26.72 C514.1 25.18,27.13 C499.1 24.11,28.2 ; v4(46.25,25.19) 46.2,25.24 v1(46.2,26.01) U24.4 ; C193.1 44.85,7.32 v1(44.8,7.27) ; U18.7 v1(46.18,37.11) ; C612.1 19.29,26.35 19,26.06 v2(19,25.6) ; v1(43.1,32.2) 43.46,32.2 43.66,32.01 U24.9 ; 24.11,28.2 24.51,28.6 v2(25,28.6) ; v2(27,35.6) 27.35,35.6 27.36,35.59 C526.1 ; v2(20,34.6) 18.8,34.6 18.33,35.07 C593.2 ; C557.1 21.71,33 21.31,32.6 ; v2(22,22.6) 22.17,22.43 C521.1 ; C674.2 14.59,56.53 14.63,56.49 C375.1 ; C675.2 24.5,56.48 25.68,56.48 ; U18.1 v1(46.83,34.91) ; v2(20,22.6) 20.17,22.43 C562.1 ; v2(37,28.6) 36.2,28.6 35.89,28.29 C563.1 35.25,29.05 34.6,29.7 C530.1 ; C602.1 19.18,27.04 19.44,27.04 v2(20,27.6) ; 21.31,32.6 v2(22,32.6) ; 21.31,32.6 21.3,32.6 21.01,32.31 C550.1 21.01,31.2 20.95,31.14 C208.1 C548.1 22.45,30.29 22.81,30.65 C502.1 23.31,31.11 24,31.8 v2(24,32.6) ; C599.1 18.31,32.94 18.65,32.6 v2(19,32.6) ; v2(36,31.6) 35.5,31.6 35.2,31.3 C516.1 34.6,31.5 35.15,32.05 C506.1 34.51,32.71 34.45,32.65 C486.1 ; C555.1 C501.1 29.49,27.6 v2(30,27.6) ; C373.1 36.4,56.48 C676.2 ; C556.1 27.45,30.49 27.34,30.6 v2(27,30.6) C469.1 v2(27,32.6) 27.21,32.6 27.4,32.41 C520.1 28.41,32.41 28.6,32.6 v2(29,32.6) C463.1 v2(29,30.6) 28.66,30.6 28.55,30.49 C556.1